# KiCad board FrontEnd_5G.kicad_pcb (continued)
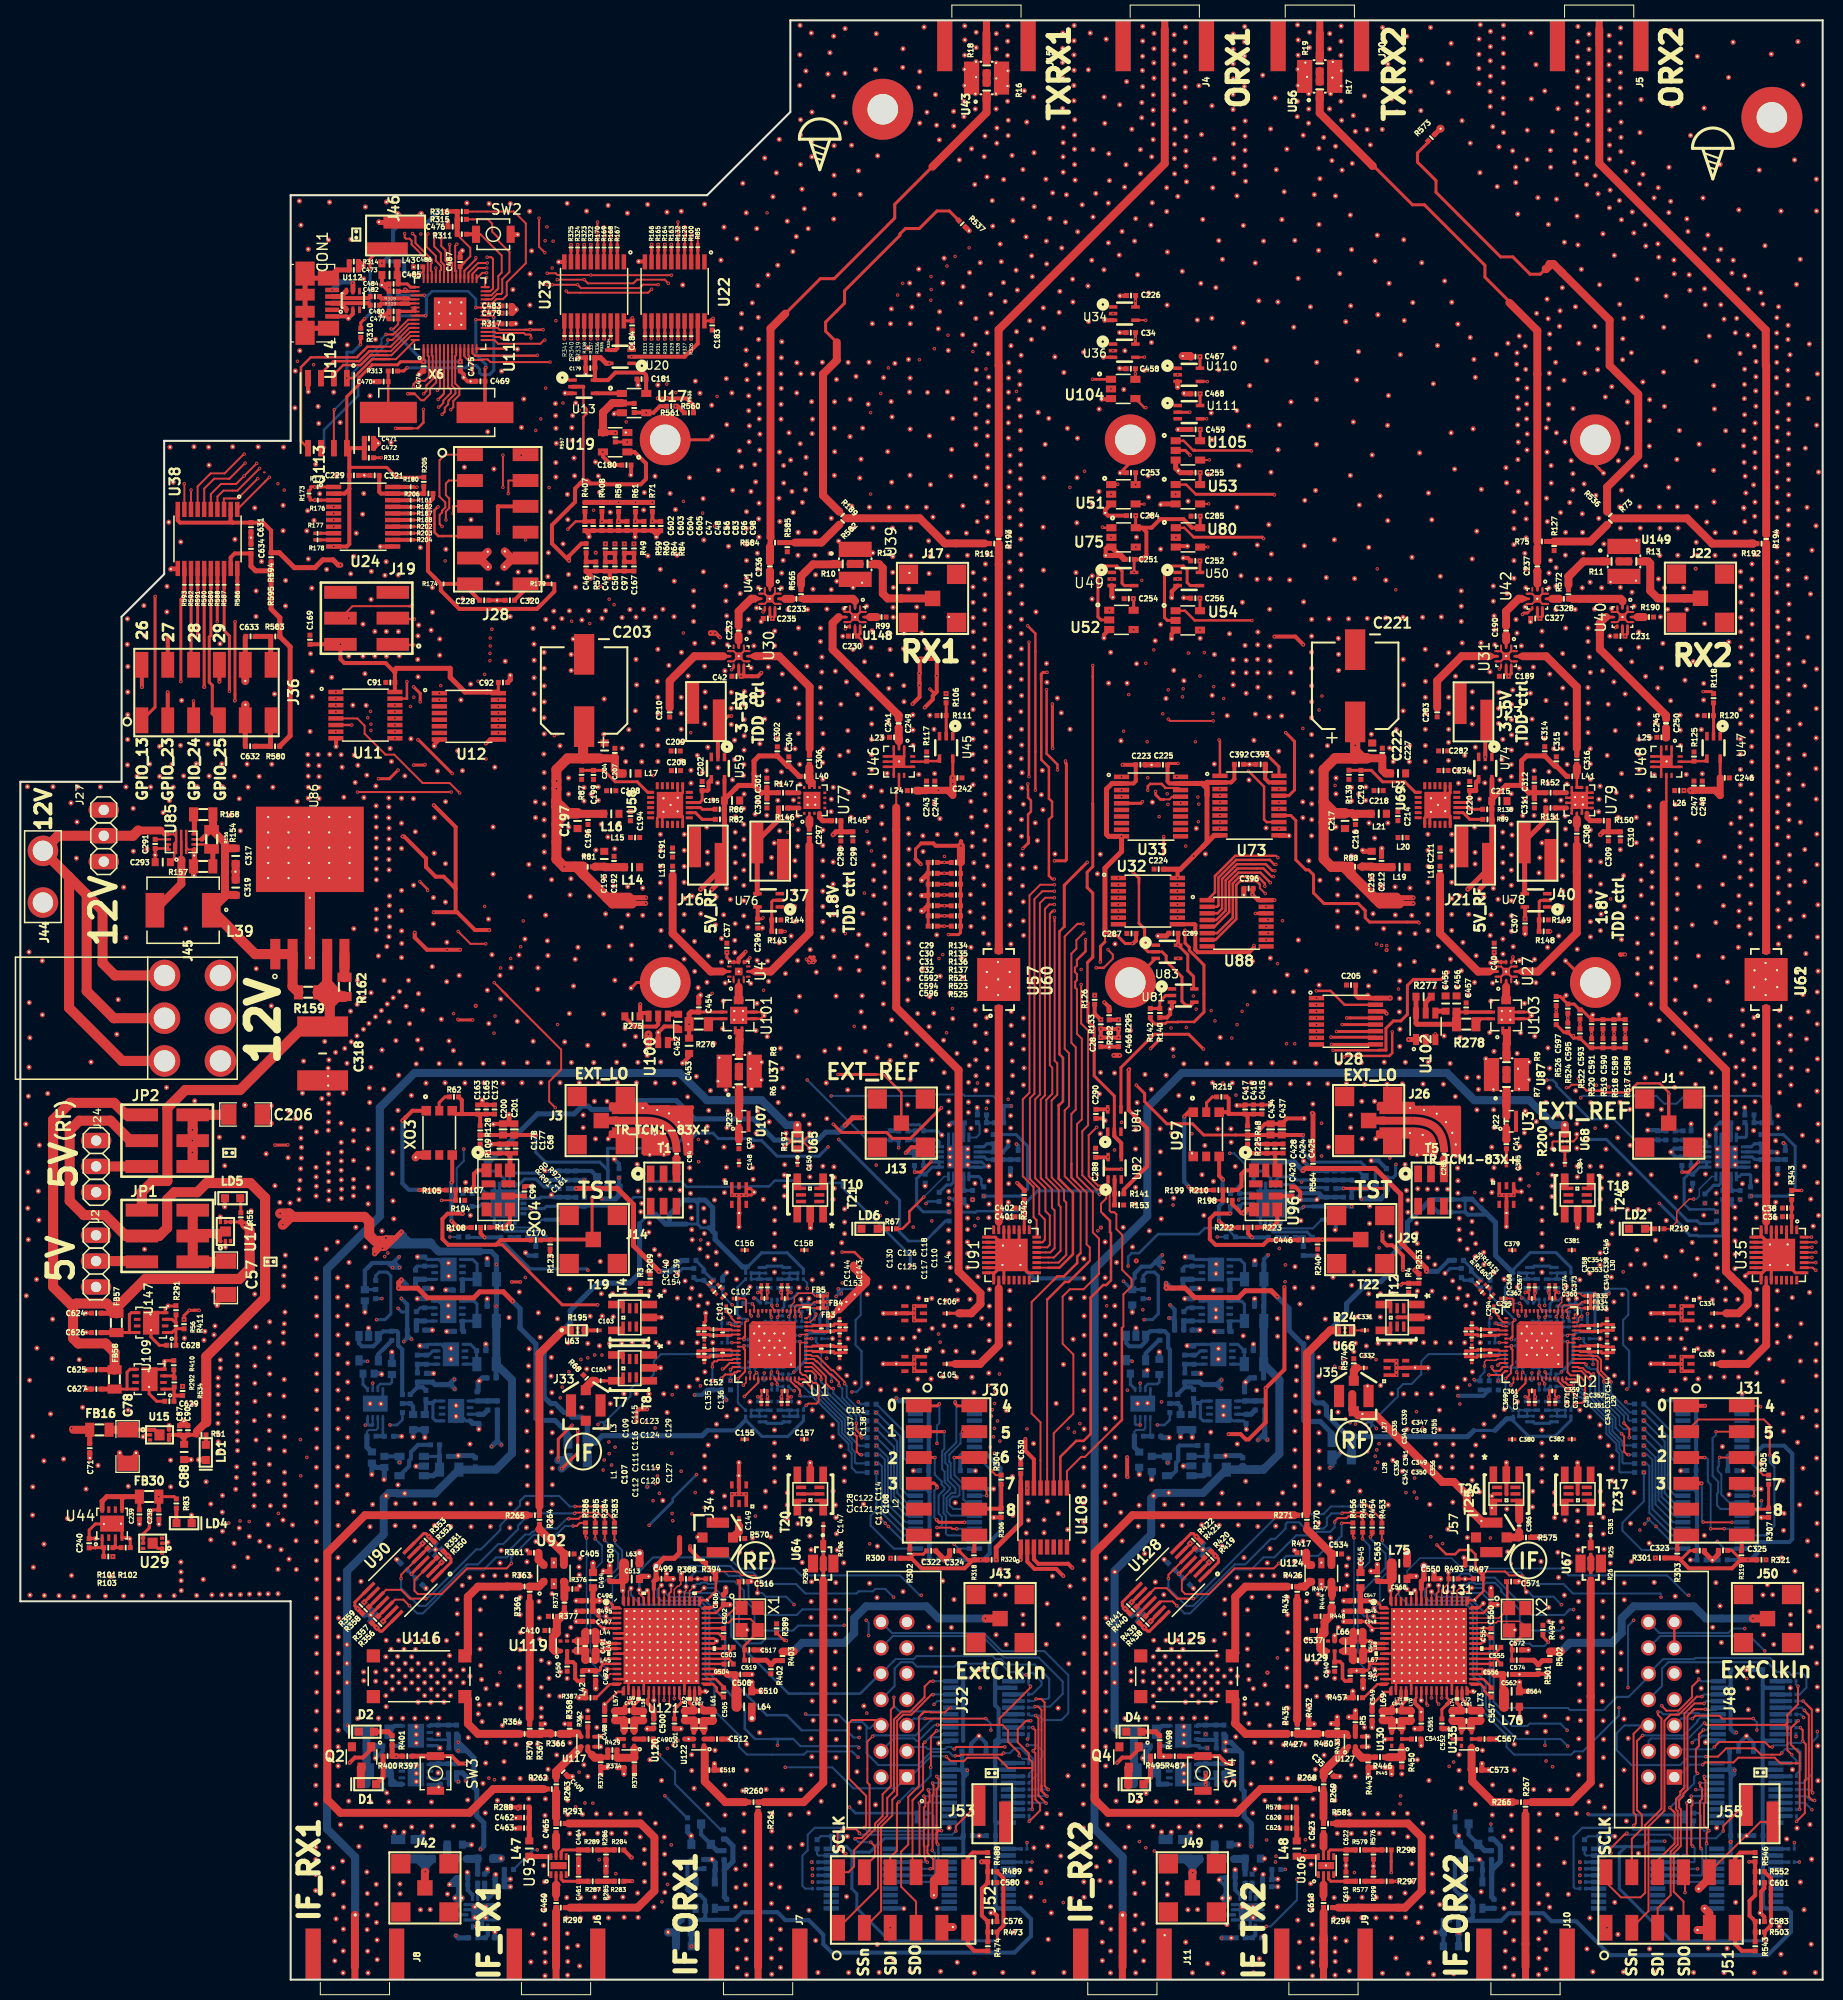
[diagram p0: board, top side]
## Nets (continued)
GND_VIA#2706. GND_VIA#2707. GND_VIA#2708. GND_VIA#2709. GND_VIA#2710. GND_VIA#2711. GND_VIA#2712. GND_VIA#2713. GND_VIA#2714. GND_VIA#2715. GND_VIA#2716. GND_VIA#2717. GND_VIA#2718. GND_VIA#2719. GND_VIA#2720. GND_VIA#2721. GND_VIA#2722. GND_VIA#2723. GND_VIA#2724. GND_VIA#2725. GND_VIA#2726. GND_VIA#2727. GND_VIA#2728. GND_VIA#2729. GND_VIA#2730. GND_VIA#2731. GND_VIA#2732. GND_VIA#2733. GND_VIA#2734. GND_VIA#2735. GND_VIA#2736. GND_VIA#2737. GND_VIA#2738. GND_VIA#2739. GND_VIA#2740. GND_VIA#2741. GND_VIA#2742. GND_VIA#2743. GND_VIA#2744. GND_VIA#2745. GND_VIA#2746. GND_VIA#2747. GND_VIA#2748. GND_VIA#2749. GND_VIA#2750. GND_VIA#2751. GND_VIA#2752. GND_VIA#2753. GND_VIA#2754. GND_VIA#2755. IC1.5 IC1.6 IC1.7 IC1.8 IC1.10 IC1.13 IC1.15 IC1.16 IC2.5 IC2.6 IC2.7 IC2.8 IC2.10 IC2.13 IC2.15 IC2.16 J1.2 J1.3 J1.4 J1.5 J2.1 J2.3 J3.2 J3.3 J3.4 J3.5 J4.2 J4.3 J4.4 J4.5 J5.2 J5.3 J5.4 J5.5 J6.2 J6.3 J6.4 J6.5 J7.2 J7.3 J7.4 J7.5 J8.2 J8.3 J8.4 J8.5 J9.2 J9.3 J9.4 J9.5 J10.2 J10.3 J10.4 J10.5 J11.2 J11.3 J11.4 J11.5 J13.2 J13.3 J13.4 J13.5 J14.2 J14.3 J14.4 J14.5 J15.2 J15.3 J15.4 J15.5 J16.1 J17.2 J17.3 J17.4 J17.5 J18.1 J19.6 J20.2 J20.3 J20.4 J20.5 J21.1 J22.2 J22.3 J22.4 J22.5 J23.1 J24.1 J24.3 J26.2 J26.3 J26.4 J26.5 J27.1 J27.3 J28.5 J28.11 J29.2 J29.3 J29.4 J29.5 J30.5 J31.5 J32.9 J32.11 J32.13 J33.2 J33.3 J33.4 J34.2 J34.3 J34.4 J35.2 J35.3 J35.4 J36.5 J36.11 J37.2 J40.2 J42.2 J42.3 J42.4 J42.5 J43.2 J43.3 J43.4 J43.5 J44.2 J45.4 J45.5 J45.6 J46.2 J48.9 J48.11 J48.13 J49.2 J49.3 J49.4 J49.5 J50.2 J50.3 J50.4 J50.5 J51.5 J51.11 J52.5 J52.11 J53.2 J55.2 J57.2 J57.3 J57.4 L23.2 L25.2 LD1.2 LD2.2 LD4.2 LD5.2 LD6.2 Mounting Pad.1 Mounting Pad#2.1 Q1.2 Q2.2 Q3.2 Q4.2 R2.2 R3.1 R4.1 R5.1 R28.2 R30.2 R32.2 R34.2 R36.2 R41.2 R44.2 R57.1 R65.2 R68.2 R70.1 R74.1 R79.2 R87.1 R99.1 R102.1 R104.1 R111.1 R113.2 R114.2 R120.1 R123.2 R124.2 R127.1 R131.2 R139.1 R142.1 R144.1 R149.1 R153.1 R157.1 R172.2 R190.1 R198.1 R208.1 R217.2 R221.1 R227.1 R232.2 R233.2 R234.2 R240.2 R242.2 R246.2 R252.1 R259.2 R285.2 R286.2 R291.2 R299.2 R306.2 R307.2 R314.2 R317.1 R344.2 R346.2 R349.2 R354.2 R355.2 R360.2 R361.1 R362.1 R367.1 R368.1 R372.1 R375.2 R376.1 R377.1 R378.1 R381.2 R387.1 R389.2 R390.2 R391.1 R392.2 R395.2 R396.2 R399.1 R402.1 R410.2 R417.1 R418.2 R423.2 R431.2 R432.1 R433.1 R437.2 R442.2 R443.1 R447.1 R448.1 R450.1 R451.2 R457.1 R458.2 R459.1 R472.2 R492.2 R494.2 R496.2 R500.1 R501.1 R537.1 R558.2 R567.2 R570.1 R573.1 R574.1 R575.1 R576.2 R585.1 Ref**. Ref**#2. Ref**#3. Ref**#4. Ref**#5. Ref**#6. Ref**#7. Ref**#8. Ref**#10. Ref**#11. Ref**#12. Ref**#13. Ref**#14. Ref**#15. Ref**#16. Ref**#17. Ref**#18. Ref**#19. Ref**#20. Ref**#21. Ref**#22. Ref**#23. Ref**#24. Ref**#25. Ref**#26. Ref**#27. Ref**#28. Ref**#29. Ref**#30. Ref**#31. Ref**#32. Ref**#33. Ref**#34. Ref**#35. Ref**#36. Ref**#37. Ref**#38. Ref**#39. Ref**#40. Ref**#41. Ref**#42. Ref**#43. Ref**#44. Ref**#45. Ref**#46. Ref**#47. Ref**#48. Ref**#49. Ref**#50. Ref**#51. Ref**#52. Ref**#53. Ref**#54. Ref**#55. Ref**#56. Ref**#57. Ref**#58. Ref**#59. Ref**#60. Ref**#61. Ref**#62. Ref**#63. Ref**#64. Ref**#65. Ref**#66. Ref**#67. Ref**#68. Ref**#70. Ref**#71. Ref**#72. Ref**#73. Ref**#74. Ref**#75. Ref**#76. Ref**#77. Ref**#78. Ref**#79. Ref**#80. Ref**#81. Ref**#82. Ref**#83. Ref**#84. Ref**#85. Ref**#86. Ref**#89. Ref**#90. Ref**#91. Ref**#92. Ref**#93. Ref**#94. Ref**#95. Ref**#96. Ref**#97. Ref**#98. Ref**#99. Ref**#100. Ref**#101. Ref**#102. Ref**#103. Ref**#104. Ref**#105. Ref**#108. Ref**#109. Ref**#111. Ref**#112. Ref**#113. Ref**#114. Ref**#115. Ref**#116. Ref**#117. Ref**#118. Ref**#119. Ref**#120. Ref**#121. Ref**#122. Ref**#123. Ref**#124. Ref**#125. Ref**#126. Ref**#127. Ref**#128. Ref**#129. Ref**#130. Ref**#131. Ref**#132. Ref**#133. Ref**#134. Ref**#135. Ref**#136. Ref**#137. Ref**#138. Ref**#139. Ref**#140. Ref**#141. Ref**#142. Ref**#143. Ref**#144. Ref**#145. Ref**#146. Ref**#147. Ref**#148. Ref**#149. Ref**#150. Ref**#151. Ref**#152. Ref**#153. Ref**#154. Ref**#155. Ref**#156. Ref**#157. Ref**#158. Ref**#159. Ref**#160. Ref**#161. Ref**#162. Ref**#163. Ref**#164. Ref**#165. Ref**#166. Ref**#167. Ref**#168. Ref**#169. Ref**#170. Ref**#171. Ref**#172. Ref**#173. Ref**#174. Ref**#175. Ref**#176. Ref**#177. Ref**#178. Ref**#179. Ref**#180. Ref**#181. Ref**#182. Ref**#183. Ref**#184. Ref**#185. Ref**#186. Ref**#187. Ref**#188. Ref**#189. Ref**#190. Ref**#191. Ref**#192. Ref**#193. Ref**#194. Ref**#195. Ref**#196. Ref**#197. Ref**#198. Ref**#199. Ref**#200. Ref**#201. Ref**#202. Ref**#203. Ref**#204. Ref**#205. Ref**#206. Ref**#207. Ref**#208. Ref**#209. Ref**#210. Ref**#211. Ref**#212. Ref**#213. Ref**#214. Ref**#215. Ref**#216. Ref**#217. Ref**#218. Ref**#219. Ref**#220. Ref**#221. Ref**#222. Ref**#223. Ref**#224. Ref**#225. Ref**#226. Ref**#227. Ref**#228. Ref**#229. Ref**#230. Ref**#231. Ref**#232. Ref**#233. Ref**#234. Ref**#235. Ref**#236. Ref**#237. Ref**#238. Ref**#239. Ref**#240. Ref**#241. Ref**#242. Ref**#243. Ref**#244. Ref**#245. Ref**#246. Ref**#247. Ref**#248. Ref**#249. Ref**#250. Ref**#251. Ref**#252. Ref**#253. Ref**#254. Ref**#255. Ref**#256. Ref**#257. Ref**#258. Ref**#259. Ref**#260. Ref**#261. Ref**#262. Ref**#263. Ref**#264. Ref**#265. Ref**#266. Ref**#267. Ref**#268. Ref**#269. Ref**#270. Ref**#271. Ref**#272. Ref**#280. Ref**#289. Ref**#291. Ref**#299. Ref**#300. Ref**#301. Ref**#304. Ref**#305. Ref**#306. Ref**#308. Ref**#309. Ref**#312. Ref**#314. Ref**#319. Ref**#326. Ref**#327. Ref**#332. Ref**#333. Ref**#334. Ref**#335. Ref**#336. Ref**#337. Ref**#338. Ref**#341. Ref**#343. Ref**#344. Ref**#345. Ref**#351. Ref**#353. Ref**#354. Ref**#355. Ref**#356. Ref**#357. Ref**#358. Ref**#359. Ref**#360. Ref**#361. Ref**#362. Ref**#363. Ref**#364. Ref**#365. Ref**#366. Ref**#367. Ref**#368. Ref**#369. Ref**#370. Ref**#371. Ref**#372. Ref**#373. Ref**#374. Ref**#375. Ref**#376. Ref**#377. Ref**#378. Ref**#379. Ref**#380. Ref**#381. Ref**#382. Ref**#383. Ref**#384. Ref**#385. Ref**#386. Ref**#387. Ref**#388. Ref**#389. Ref**#390. Ref**#391. Ref**#392. Ref**#393. Ref**#394. Ref**#395. Ref**#396. Ref**#397. Ref**#398. Ref**#399. Ref**#400. Ref**#401. Ref**#402. Ref**#403. Ref**#404. Ref**#405. Ref**#406. Ref**#407. Ref**#408. Ref**#409. Ref**#410. Ref**#412. Ref**#414. Ref**#415. Ref**#416. Ref**#417. Ref**#418. Ref**#419. Ref**#420. Ref**#421. Ref**#422. Ref**#423. Ref**#424. Ref**#425. Ref**#426. Ref**#427. Ref**#428. Ref**#429. Ref**#430. Ref**#431. Ref**#432. Ref**#433. Ref**#434. Ref**#435. Ref**#436. Ref**#437. Ref**#438. Ref**#439. Ref**#440. Ref**#441. Ref**#442. Ref**#443. Ref**#444. Ref**#445. Ref**#446. Ref**#447. Ref**#448. Ref**#449. Ref**#450. Ref**#451. Ref**#452. Ref**#453. Ref**#454. Ref**#455. Ref**#456. Ref**#457. Ref**#458. Ref**#463. Ref**#464. Ref**#465. Ref**#466. Ref**#467. Ref**#468. Ref**#469. Ref**#470. Ref**#471. Ref**#472. Ref**#473. Ref**#474. Ref**#475. Ref**#476. Ref**#477. Ref**#478. Ref**#479. Ref**#480. Ref**#481. Ref**#482. Ref**#483. Ref**#484. Ref**#485. Ref**#486. Ref**#487. Ref**#488. Ref**#489. Ref**#490. Ref**#491. Ref**#492. Ref**#493. Ref**#494. Ref**#495. Ref**#496. Ref**#497. Ref**#498. Ref**#499. Ref**#500. Ref**#501. Ref**#502. Ref**#503. Ref**#504. Ref**#505. Ref**#506. Ref**#507. Ref**#508. Ref**#509. Ref**#510. Ref**#511. Ref**#512. Ref**#513. Ref**#514. Ref**#515. Ref**#516. Ref**#517. Ref**#518. Ref**#519. Ref**#520. Ref**#521. Ref**#522. Ref**#523. Ref**#524. Ref**#526. Ref**#527. Ref**#528. Ref**#529. Ref**#530. Ref**#531. Ref**#532. Ref**#533. Ref**#534. Ref**#535. Ref**#536. Ref**#537. Ref**#538. Ref**#539. Ref**#540. Ref**#541. Ref**#542. Ref**#543. Ref**#544. Ref**#545. Ref**#546. Ref**#547. Ref**#548. Ref**#549. Ref**#550. Ref**#551. Ref**#552. Ref**#553. Ref**#554. Ref**#555. Ref**#556. Ref**#557. Ref**#558. Ref**#559. Ref**#560. Ref**#561. Ref**#562. Ref**#563. Ref**#564. Ref**#565. Ref**#566. Ref**#567. Ref**#568. Ref**#569. Ref**#570. Ref**#571. Ref**#572. Ref**#573. Ref**#574. Ref**#575. Ref**#576. Ref**#577. Ref**#578. Ref**#579. Ref**#580. Ref**#581. Ref**#582. Ref**#583. Ref**#584. Ref**#585. Ref**#586. Ref**#587. Ref**#588. Ref**#589. Ref**#590. Ref**#591. Ref**#592. Ref**#593. Ref**#594. Ref**#595. Ref**#596. Ref**#597. Ref**#598. Ref**#599. Ref**#600. Ref**#601. Ref**#602. Ref**#603. Ref**#604. Ref**#605. Ref**#606. Ref**#607. Ref**#608. Ref**#609. Ref**#610. Ref**#611. Ref**#612. Ref**#613. Ref**#614. Ref**#615. Ref**#616. Ref**#617. Ref**#618. Ref**#619. Ref**#620. Ref**#621. Ref**#622. Ref**#623. Ref**#624. Ref**#625. Ref**#626. Ref**#627. Ref**#628. Ref**#629. Ref**#630. Ref**#631. Ref**#632. Ref**#633. Ref**#634. Ref**#635. Ref**#636. Ref**#637. Ref**#638. Ref**#639. Ref**#640. Ref**#641. Ref**#642. Ref**#643. Ref**#644. Ref**#645. Ref**#646. Ref**#647. Ref**#648. Ref**#649. Ref**#650. Ref**#651. Ref**#652. Ref**#653. Ref**#654. Ref**#655. Ref**#656. Ref**#657. Ref**#658. Ref**#659. Ref**#660. Ref**#661. Ref**#662. Ref**#663. Ref**#664. Ref**#665. Ref**#666. Ref**#667. Ref**#668. Ref**#669. Ref**#670. Ref**#671. Ref**#672. Ref**#673. Ref**#674. Ref**#675. Ref**#676. Ref**#677. Ref**#678. Ref**#679. Ref**#680. Ref**#681. Ref**#682. Ref**#683. Ref**#684. Ref**#685. Ref**#686. Ref**#687. Ref**#688. Ref**#689. Ref**#690. Ref**#691. Ref**#692. Ref**#693. Ref**#694. Ref**#695. Ref**#696. Ref**#697. Ref**#698. Ref**#699. Ref**#700. Ref**#701. Ref**#702. Ref**#703. Ref**#704. Ref**#705. Ref**#706. Ref**#707. Ref**#708. Ref**#709. Ref**#710. Ref**#711. Ref**#712. Ref**#713. Ref**#714. Ref**#715. Ref**#716. Ref**#717. Ref**#718. Ref**#719. Ref**#720. Ref**#721. Ref**#722. Ref**#723. Ref**#724. Ref**#725. Ref**#726. Ref**#727. Ref**#728. Ref**#729. Ref**#730. Ref**#731. Ref**#732. Ref**#733. Ref**#734. Ref**#735. Ref**#736. Ref**#737. Ref**#738. Ref**#739. Ref**#740. Ref**#741. Ref**#742. Ref**#743. Ref**#744. Ref**#745. Ref**#746. Ref**#747. Ref**#748. Ref**#749. Ref**#750. Ref**#751. Ref**#752. Ref**#753. Ref**#754. Ref**#755. Ref**#756. Ref**#757. Ref**#758. Ref**#759. Ref**#760. Ref**#761. Ref**#762. Ref**#763. Ref**#764. Ref**#765. Ref**#766. Ref**#767. Ref**#768. Ref**#769. Ref**#770. Ref**#771. Ref**#772. Ref**#773. Ref**#774. Ref**#775. Ref**#776. Ref**#777. Ref**#778. Ref**#779. Ref**#780. Ref**#781. Ref**#782. Ref**#783. Ref**#784. Ref**#785. Ref**#786. Ref**#787. Ref**#788. Ref**#789. Ref**#790. Ref**#791. Ref**#792. Ref**#793. Ref**#794. Ref**#795. Ref**#796. Ref**#797. Ref**#798. Ref**#799. Ref**#800. Ref**#801. Ref**#802. Ref**#803. Ref**#804. Ref**#805. Ref**#806. Ref**#807. Ref**#808. Ref**#809. Ref**#810. Ref**#811. Ref**#812. Ref**#813. Ref**#814. Ref**#815. Ref**#816. Ref**#817. Ref**#818. Ref**#819. Ref**#820. Ref**#821. Ref**#822. Ref**#823. Ref**#824. Ref**#825. Ref**#826. Ref**#827. Ref**#828. Ref**#829. Ref**#830. Ref**#831. Ref**#832. Ref**#833. Ref**#834. Ref**#835. Ref**#836. Ref**#837. Ref**#838. Ref**#839. Ref**#840. Ref**#841. Ref**#842. Ref**#844. Ref**#845. Ref**#846. Ref**#847. Ref**#848. Ref**#849. Ref**#850. Ref**#851. Ref**#852. Ref**#853. Ref**#854. Ref**#855. Ref**#856. Ref**#857. Ref**#858. Ref**#859. Ref**#860. Ref**#861. Ref**#862. Ref**#863. Ref**#864. Ref**#865. Ref**#866. Ref**#867. Ref**#868. Ref**#869. Ref**#871. Ref**#872. Ref**#873. Ref**#874. Ref**#875. Ref**#876. Ref**#877. Ref**#878. Ref**#879. Ref**#880. Ref**#881. Ref**#882. Ref**#883. Ref**#884. Ref**#885. Ref**#886. Ref**#887. Ref**#888. Ref**#889. Ref**#890. Ref**#891. Ref**#892. Ref**#893. Ref**#894. Ref**#895. Ref**#896. Ref**#897. Ref**#898. Ref**#899. Ref**#900. Ref**#901. Ref**#902. Ref**#903. Ref**#904. Ref**#905. Ref**#906. Ref**#907. Ref**#908. Ref**#909. Ref**#910. Ref**#911. Ref**#912. Ref**#913. Ref**#914. Ref**#915. Ref**#916. Ref**#917. Ref**#918. Ref**#919. Ref**#920. Ref**#921. Ref**#922. Ref**#923. Ref**#924. Ref**#925. Ref**#926. Ref**#927. Ref**#928. Ref**#929. Ref**#930. Ref**#931. Ref**#932. Ref**#933. Ref**#934. Ref**#935. Ref**#936. Ref**#937. Ref**#938. Ref**#939. Ref**#940. Ref**#941. Ref**#942. Ref**#943. Ref**#944. Ref**#945. Ref**#946. Ref**#947. Ref**#948. Ref**#949. Ref**#950. Ref**#951. Ref**#952. Ref**#953. Ref**#954. Ref**#955. Ref**#956. Ref**#957. Ref**#958. Ref**#959. Ref**#960. Ref**#961. Ref**#962. Ref**#963. Ref**#964. Ref**#965. Ref**#966. Ref**#967. Ref**#968. Ref**#969. Ref**#970. Ref**#971. Ref**#972. Ref**#973. Ref**#974. Ref**#975. Ref**#976. Ref**#977. Ref**#978. Ref**#979. Ref**#980. Ref**#981. Ref**#982. Ref**#983. Ref**#984. Ref**#985. Ref**#986. Ref**#987. Ref**#988. Ref**#989. Ref**#990. Ref**#991. Ref**#992. Ref**#993. Ref**#994. Ref**#995. Ref**#996. Ref**#997. Ref**#998. Ref**#999. Ref**#1000. Ref**#1001. Ref**#1002. Ref**#1003. Ref**#1004. Ref**#1005. Ref**#1006. Ref**#1007. Ref**#1008. Ref**#1009. Ref**#1010. Ref**#1011. Ref**#1012. Ref**#1013. Ref**#1014. Ref**#1015. Ref**#1016. Ref**#1017. Ref**#1018. Ref**#1019. Ref**#1020. Ref**#1021. Ref**#1022. Ref**#1023. Ref**#1024. Ref**#1025. Ref**#1026. Ref**#1027. Ref**#1028. Ref**#1029. Ref**#1030. Ref**#1031. Ref**#1032. Ref**#1033. Ref**#1034. Ref**#1035. Ref**#1036. Ref**#1037. Ref**#1038. Ref**#1039. Ref**#1040. Ref**#1041. Ref**#1042. Ref**#1043. Ref**#1044. Ref**#1045. Ref**#1046. Ref**#1047. Ref**#1048. Ref**#1049. Ref**#1050. Ref**#1051. Ref**#1052. Ref**#1053. Ref**#1054. Ref**#1055. Ref**#1056. Ref**#1057. Ref**#1058. Ref**#1059. Ref**#1060. Ref**#1061. Ref**#1062. Ref**#1063. Ref**#1064. Ref**#1065. Ref**#1066. Ref**#1067. Ref**#1068. Ref**#1069. Ref**#1070. Ref**#1071. Ref**#1072. Ref**#1073. Ref**#1074. Ref**#1075. Ref**#1076. Ref**#1077. Ref**#1078. Ref**#1080. Ref**#1081. Ref**#1082. Ref**#1083. Ref**#1084. Ref**#1085. Ref**#1086. Ref**#1087. Ref**#1088. Ref**#1089. Ref**#1090. Ref**#1091. Ref**#1092. Ref**#1093. Ref**#1094. Ref**#1095. Ref**#1096. Ref**#1097. Ref**#1098. Ref**#1099. Ref**#1100. Ref**#1101. Ref**#1102. Ref**#1103. Ref**#1104. Ref**#1105. Ref**#1106. Ref**#1107. Ref**#1108. Ref**#1109. Ref**#1110. Ref**#1111. Ref**#1112. Ref**#1113. Ref**#1114. Ref**#1115. Ref**#1116. Ref**#1117. Ref**#1118. Ref**#1119. Ref**#1120. Ref**#1122. Ref**#1123. Ref**#1124. Ref**#1125. Ref**#1126. Ref**#1127. Ref**#1128. Ref**#1129. Ref**#1130. Ref**#1131. Ref**#1132. Ref**#1133. Ref**#1134. Ref**#1135. Ref**#1136. Ref**#1137. Ref**#1138. Ref**#1139. Ref**#1140. Ref**#1141. Ref**#1142. Ref**#1143. Ref**#1144. Ref**#1145. Ref**#1146. Ref**#1147. Ref**#1148. Ref**#1149. Ref**#1150. Ref**#1151. Ref**#1152. Ref**#1153. Ref**#1154. Ref**#1155. Ref**#1156. Ref**#1157. Ref**#1158. Ref**#1159. Ref**#1160. Ref**#1161. Ref**#1162. Ref**#1163. Ref**#1164. Ref**#1165. Ref**#1166. Ref**#1167. Ref**#1168. Ref**#1169. Ref**#1170. Ref**#1171. Ref**#1172. Ref**#1173. Ref**#1174. Ref**#1175. Ref**#1176. Ref**#1177. Ref**#1178. Ref**#1179. Ref**#1180. Ref**#1181. Ref**#1182. Ref**#1183. Ref**#1184. Ref**#1185. Ref**#1186. Ref**#1187. Ref**#1188. Ref**#1189. Ref**#1190. Ref**#1191. Ref**#1192. Ref**#1193. Ref**#1194. Ref**#1195. Ref**#1196. Ref**#1197. Ref**#1198. Ref**#1199. Ref**#1200. Ref**#1201. Ref**#1202. Ref**#1203. Ref**#1204. Ref**#1205. Ref**#1206. Ref**#1207. Ref**#1208. Ref**#1209. Ref**#1210. Ref**#1211. Ref**#1212. Ref**#1213. Ref**#1214. Ref**#1215. Ref**#1216. Ref**#1217. Ref**#1218. Ref**#1219. Ref**#1220. Ref**#1221. Ref**#1222. Ref**#1223. Ref**#1224. Ref**#1225. Ref**#1226. Ref**#1227. Ref**#1228. Ref**#1229. Ref**#1230. Ref**#1231. Ref**#1232. Ref**#1233. Ref**#1234. Ref**#1235. Ref**#1236. Ref**#1237. Ref**#1238. Ref**#1239. Ref**#1240. Ref**#1241. Ref**#1242. Ref**#1243. Ref**#1244. Ref**#1245. Ref**#1246. Ref**#1247. Ref**#1248. Ref**#1249. Ref**#1250. Ref**#1251. Ref**#1252. Ref**#1253. Ref**#1254. Ref**#1255. Ref**#1256. Ref**#1257. Ref**#1258. Ref**#1259. Ref**#1260. Ref**#1261. Ref**#1262. Ref**#1267. Ref**#1268. Ref**#1269. Ref**#1270. Ref**#1271. Ref**#1272. Ref**#1273. Ref**#1274. Ref**#1275. Ref**#1276. Ref**#1277. Ref**#1278. Ref**#1279. Ref**#1280. Ref**#1281. Ref**#1282. Ref**#1283. Ref**#1290. Ref**#1291. Ref**#1292. Ref**#1293. Ref**#1294. Ref**#1295. Ref**#1296. Ref**#1297. Ref**#1298. Ref**#1299. Ref**#1300. Ref**#1301. Ref**#1302. Ref**#1303. Ref**#1304. Ref**#1305. Ref**#1306. Ref**#1307. Ref**#1308. Ref**#1309. Ref**#1310. Ref**#1311. Ref**#1312. Ref**#1313. Ref**#1314. Ref**#1315. Ref**#1316. Ref**#1317. Ref**#1318. Ref**#1319. Ref**#1320. Ref**#1321. Ref**#1322. Ref**#1323. Ref**#1327. Ref**#1328. Ref**#1329. Ref**#1330. Ref**#1331. Ref**#1332. Ref**#1333. Ref**#1334. Ref**#1335. Ref**#1336. Ref**#1337. Ref**#1338. Ref**#1339. Ref**#1340. Ref**#1341. Ref**#1342. Ref**#1343. Ref**#1344. Ref**#1345. Ref**#1346. Ref**#1347. Ref**#1348. Ref**#1349. Ref**#1350. Ref**#1351. Ref**#1352. Ref**#1353. Ref**#1354. Ref**#1355. Ref**#1356. Ref**#1357. Ref**#1358. Ref**#1359. Ref**#1360. Ref**#1361. Ref**#1362. Ref**#1363. Ref**#1364. Ref**#1365. Ref**#1366. Ref**#1367. Ref**#1368. Ref**#1369. Ref**#1370. Ref**#1371. Ref**#1372. Ref**#1373. Ref**#1374. Ref**#1375. Ref**#1376. Ref**#1377. Ref**#1378. Ref**#1379. Ref**#1380. Ref**#1381. Ref**#1382. Ref**#1383. Ref**#1384. Ref**#1385. Ref**#1386. Ref**#1387. Ref**#1388. Ref**#1389. Ref**#1390. Ref**#1391. Ref**#1392. Ref**#1393. Ref**#1394. Ref**#1395. Ref**#1396. Ref**#1397. Ref**#1398. Ref**#1399. Ref**#1400. Ref**#1401. Ref**#1402. Ref**#1403. Ref**#1404. Ref**#1405. Ref**#1406. Ref**#1407. Ref**#1408. Ref**#1409. Ref**#1410. Ref**#1411. Ref**#1412. Ref**#1413. Ref**#1414. Ref**#1415. Ref**#1416. Ref**#1417. Ref**#1418. Ref**#1419. Ref**#1420. Ref**#1421. Ref**#1422. Ref**#1423. Ref**#1424. Ref**#1425. Ref**#1426. Ref**#1427. Ref**#1428. Ref**#1429. Ref**#1430. Ref**#1431. Ref**#1432. Ref**#1433. Ref**#1434. Ref**#1435. Ref**#1436. Ref**#1437. Ref**#1438. Ref**#1439. Ref**#1440. Ref**#1441. Ref**#1442. Ref**#1443. Ref**#1444. Ref**#1445. Ref**#1446. Ref**#1447. Ref**#1448. Ref**#1449. Ref**#1450. Ref**#1451. Ref**#1452. Ref**#1453. Ref**#1454. Ref**#1455. Ref**#1456. Ref**#1457. Ref**#1458. Ref**#1459. Ref**#1460. Ref**#1461. Ref**#1462. Ref**#1463. Ref**#1464. Ref**#1465. Ref**#1466. Ref**#1467. Ref**#1468. Ref**#1469. Ref**#1470. Ref**#1471. Ref**#1472. Ref**#1473. Ref**#1474. Ref**#1475. Ref**#1476. Ref**#1477. Ref**#1478. Ref**#1479. Ref**#1480. Ref**#1481. Ref**#1482. Ref**#1483. Ref**#1484. Ref**#1485. Ref**#1486. Ref**#1487. Ref**#1488. Ref**#1489. Ref**#1490. Ref**#1491. Ref**#1492. Ref**#1493. Ref**#1494. Ref**#1495. Ref**#1496. Ref**#1497. Ref**#1498. Ref**#1499. Ref**#1500. Ref**#1501. Ref**#1502. Ref**#1503. Ref**#1504. Ref**#1505. Ref**#1506. Ref**#1507. Ref**#1508. Ref**#1509. Ref**#1510. Ref**#1511. Ref**#1512. Ref**#1513. Ref**#1514. Ref**#1515. Ref**#1516. Ref**#1517. Ref**#1518. Ref**#1519. Ref**#1520. Ref**#1521. Ref**#1522. Ref**#1523. Ref**#1524. Ref**#1525. Ref**#1527. Ref**#1528. Ref**#1529. Ref**#1530. Ref**#1531. Ref**#1532. Ref**#1533. Ref**#1534. Ref**#1535. Ref**#1536. Ref**#1537. Ref**#1538. Ref**#1539. Ref**#1540. Ref**#1541. Ref**#1542. Ref**#1543. Ref**#1544. Ref**#1545. Ref**#1546. Ref**#1547. Ref**#1548. Ref**#1549. Ref**#1550. Ref**#1551. Ref**#1552. Ref**#1553. Ref**#1554. Ref**#1555. Ref**#1556. Ref**#1557. Ref**#1558. Ref**#1559. Ref**#1560. Ref**#1561. Ref**#1562. Ref**#1563. Ref**#1564. Ref**#1565. Ref**#1566. Ref**#1567. Ref**#1568. Ref**#1569. Ref**#1570. Ref**#1571. Ref**#1572. Ref**#1573. Ref**#1574. Ref**#1575. Ref**#1576. Ref**#1577. Ref**#1578. Ref**#1579. Ref**#1580. Ref**#1581. Ref**#1582. Ref**#1583. Ref**#1584. Ref**#1585. Ref**#1586. Ref**#1587. Ref**#1588. Ref**#1589. Ref**#1590. Ref**#1591. Ref**#1592. Ref**#1593. Ref**#1594. Ref**#1595. Ref**#1596. Ref**#1597. Ref**#1598. Ref**#1599. Ref**#1600. Ref**#1601. Ref**#1602. Ref**#1603. Ref**#1604. Ref**#1605. Ref**#1606. Ref**#1607. Ref**#1608. Ref**#1609. Ref**#1610. Ref**#1611. Ref**#1612. Ref**#1613. Ref**#1614. Ref**#1615. Ref**#1616. Ref**#1617. Ref**#1618. Ref**#1619. Ref**#1620. Ref**#1621. Ref**#1622. Ref**#1623. Ref**#1624. Ref**#1625. Ref**#1626. Ref**#1627. Ref**#1628. Ref**#1629. Ref**#1630. Ref**#1631. 